# Altium PCB watchy-1.0.PcbDoc
Units mm, origin at the board's own origin, x right, y up, seen from the top; angles counter-clockwise.
Board outline 34.1 x 46.1 mm, 2 copper layers (TopLayer, BottomLayer); 65 components, 72 nets, 281 pads, 178 vias.
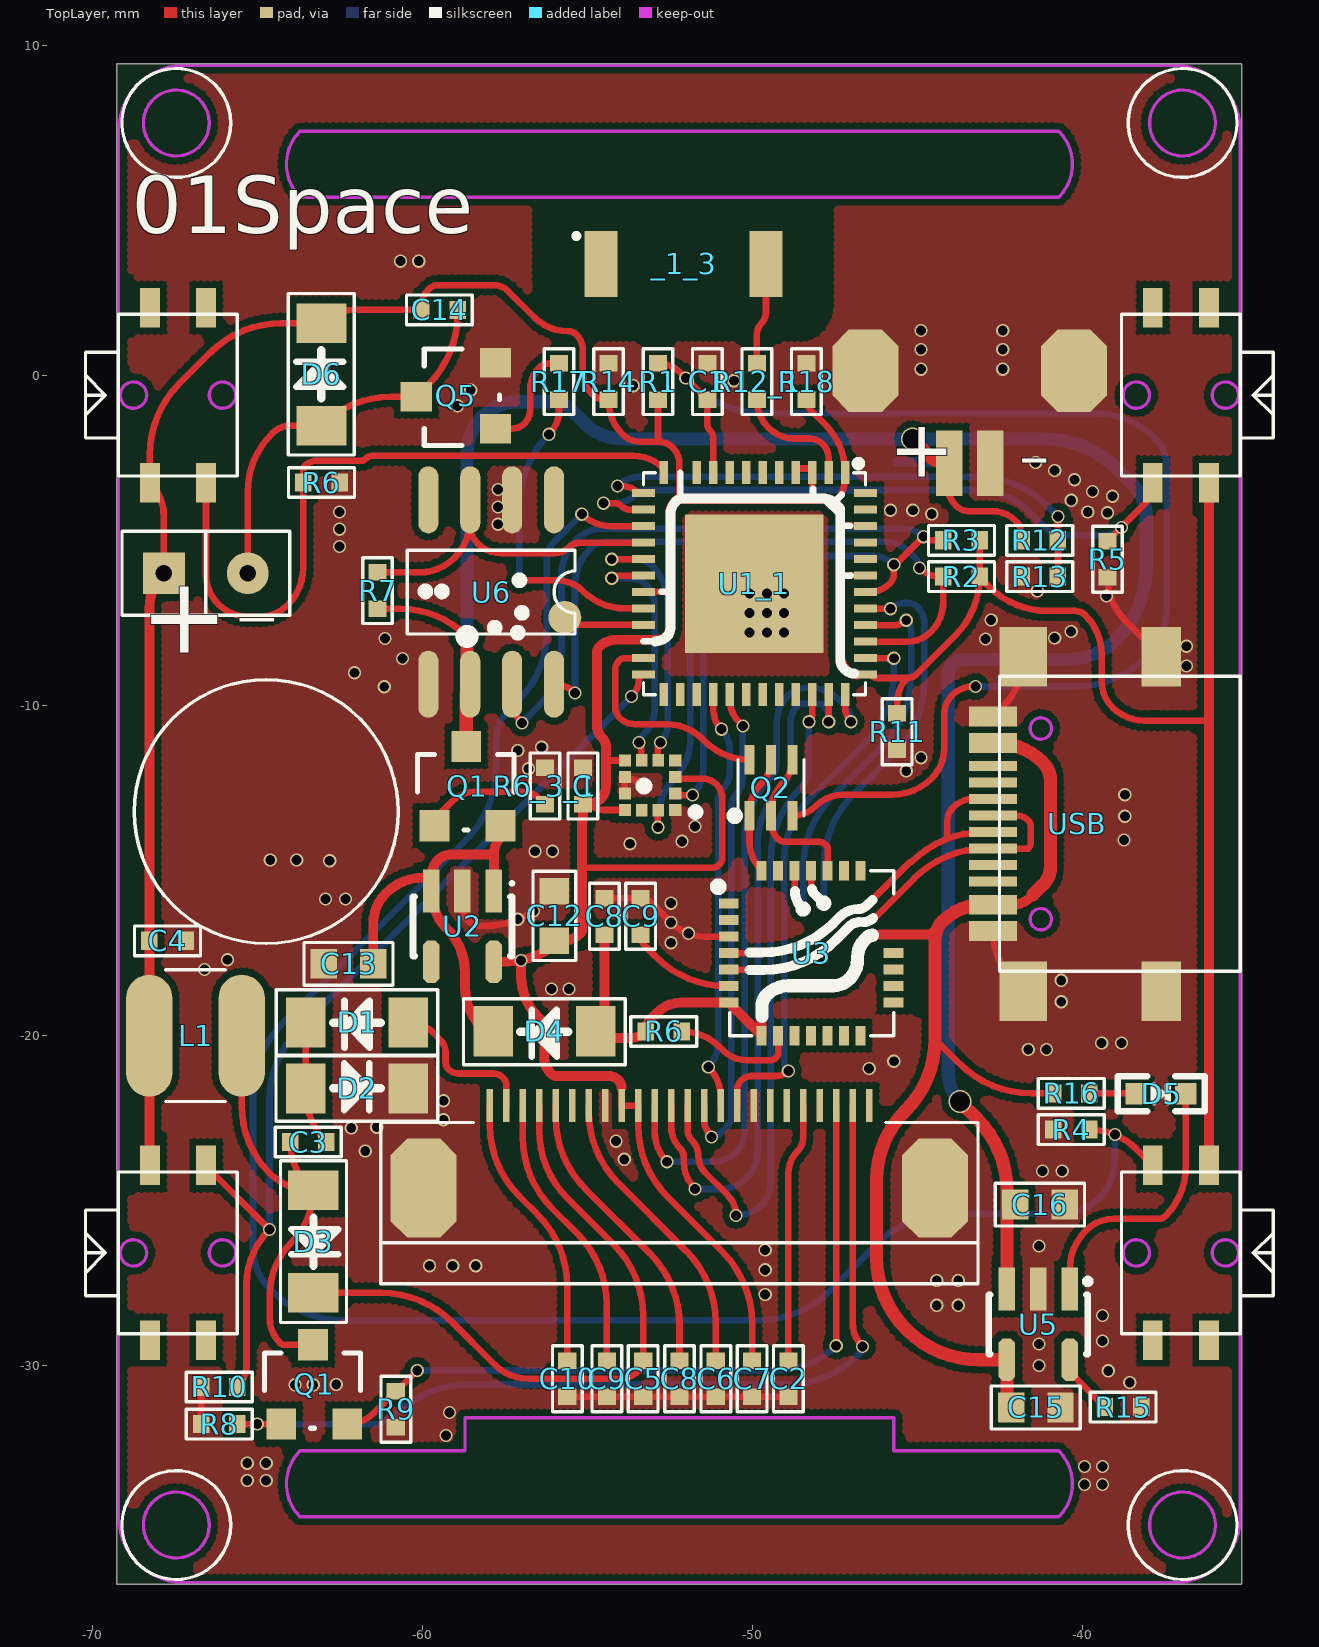
[diagram p0: TopLayer view]
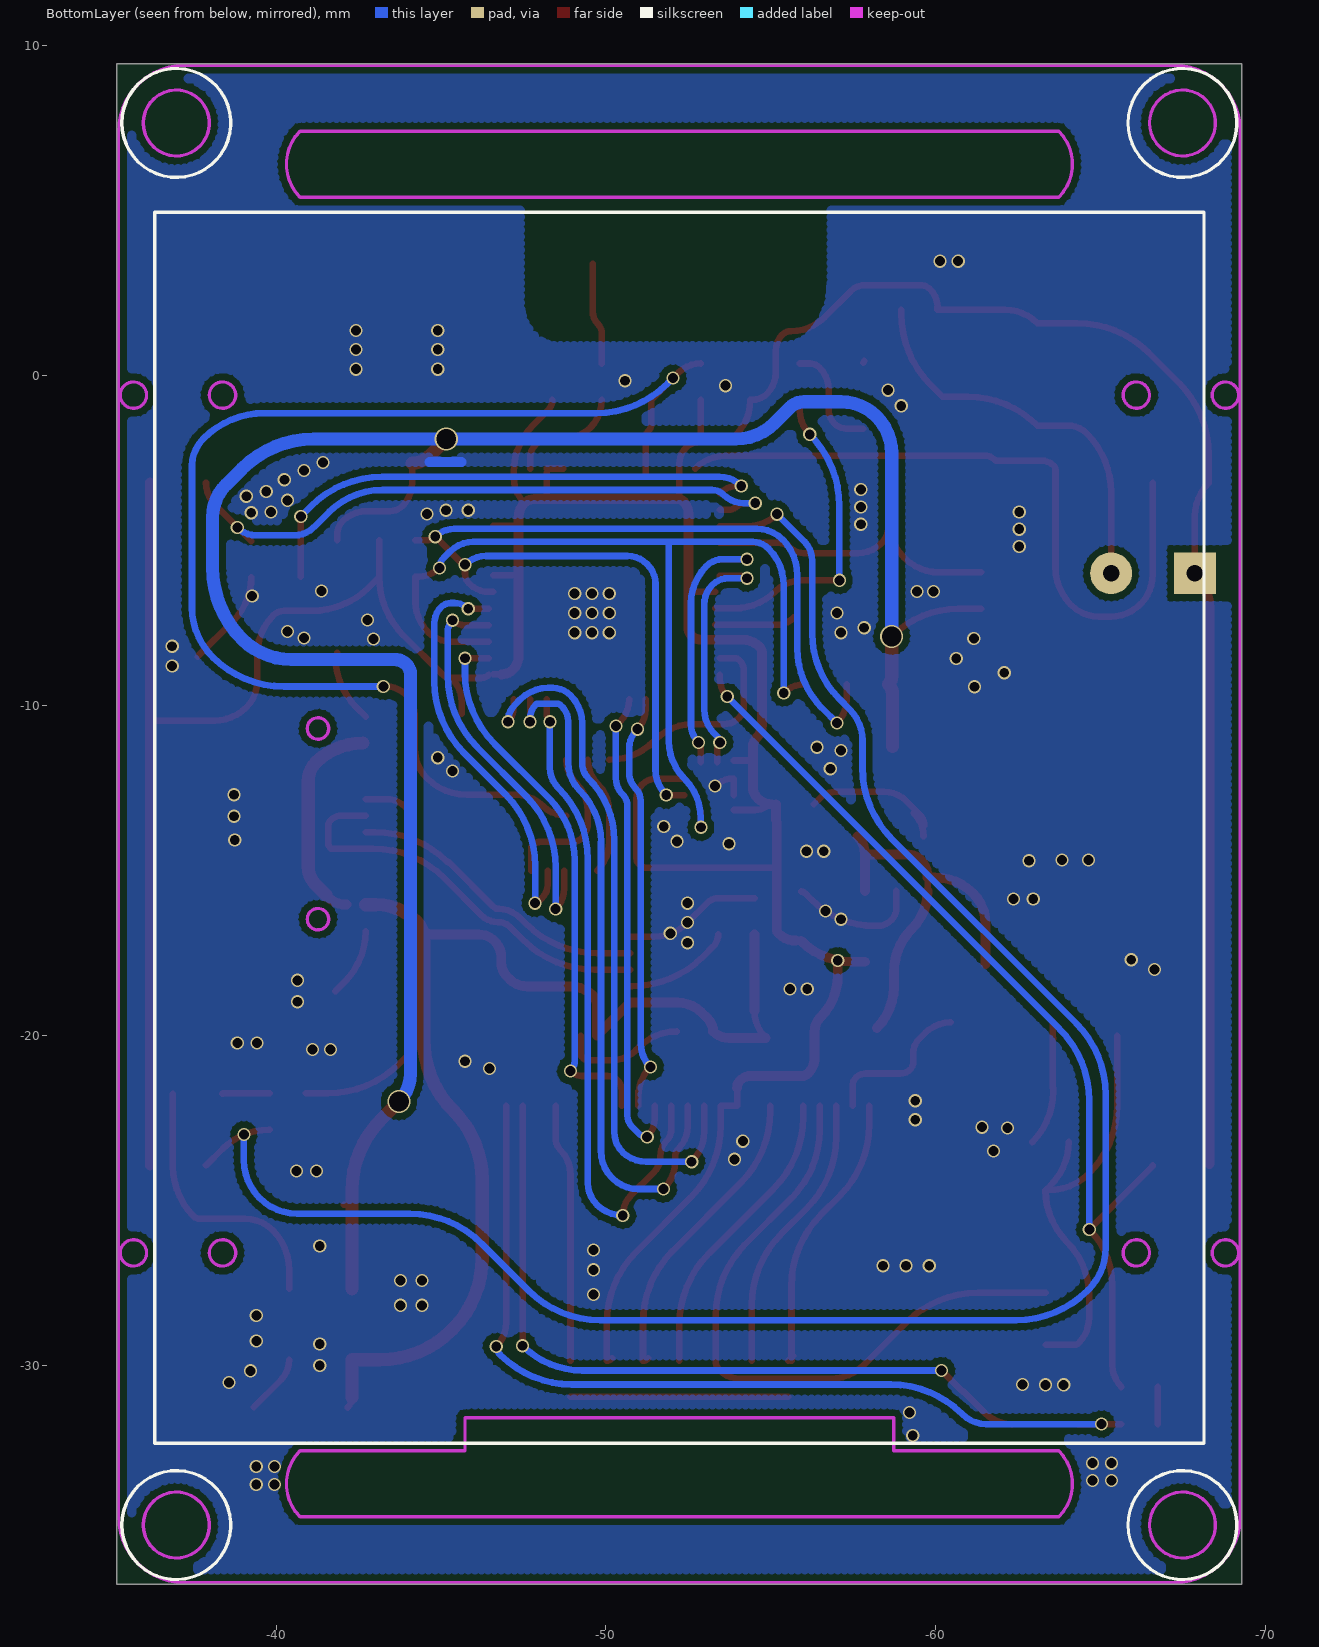
[diagram p1: BottomLayer view, seen from below]

## Layer stack, top to bottom
TopLayer: signal copper 0.0356
Dielectric: dielectric 0.32, FR-4, Dk 4.8
BottomLayer: signal copper 0.0356

## Board outline
-69.275,-36.65 -35.175,-36.65 -35.175,9.45 -69.275,9.45

## Design rules (kind name [scope] priority, off if disabled: settings)
Clearance [All] p1: gap=0.2
FabricationTestPointUsage TestPointUsage [All] p1: valid=0 allowmultiple=FALSE
FabricationTestpoint Testpoint [All] p1: side=3 testpointundercomponent=TRUE minsize=1.016 maxsize=2.54 preferedsize=1.524 minholesize=0.508 maxholesize=1.016 preferedholesize=0.813 testpointgrid=0.025 allowsidetop=TRUE allowsidebottom=TRUE usegrid=TRUE gridtolerance=0
PolygonConnect [All] p1: connectstyle=Direct reliefconductorwidth=0.254 reliefentries=4 polygonreliefangle="90 Angle" airgapwidth=0.254
RoutingVias [All] p1: holewidth=0.711 width=1.27 viastyle="Through Hole" minholewidth=0.711 minwidth=1.27 maxholewidth=0.711 maxwidth=1.27
SolderMaskExpansion [All] p1: expansion=0.102
Width [All] p1: maxlimit=0.2 minlimit=0.2 preferedwidth=0.2
26 further rules are at their usual default settings.

## Components (designator, comment, footprint, x,y, rotation, side; value= is the part's Value field where it differs from the comment)
_1_3 "" 1206 -49.6,3.375 r180 top locked
C "104" 0402R -55.15,-13 r90 top locked
C1 "104" 0402R -51.375,-0.74 r90 top
C2 "105" 0402R -48.923,-29.864 r270 top locked
C3 "475" 0402R -62.923,-23.239 r180 top locked
C4 "475" 0402R -68.293,-17.14 r0 top locked
C5 "105" 0402R -53.323,-29.864 r270 top locked
C6 "105" 0402R -51.123,-29.864 r270 top
C7 "105" 0402R -50.023,-29.864 r270 top
C8 "105" 0402R -52.223,-29.864 r270 top locked
C8 "104" 0402R -54.5,-16.95 r90 top
C9 "105" 0402R -54.423,-29.864 r270 top
C9 "104" 0402R -53.4,-16.95 r90 top
C10 "105" 0402R -55.623,-29.864 r270 top
C12 "475" 0603C -56.025,-16.39 r90 top locked
C13 "475" 0603C -62.251,-17.85 r180 top locked
C14 "104" 0402R -58.95,1.985 r180 top
C15 "475" 0603C -41.426,-31.275 r0 top locked
C16 "475" 0603C -41.301,-25.125 r0 top locked
D1 "IN5819" 1206D -62,-19.615 r180 top locked
D2 "IN5819" 1206D -61.998,-21.614 r0 top locked
D3 "IN5819" 1206D -63.323,-26.264 r270 top locked
D4 "IN5819" 1206D -56.323,-19.887 r180 top locked
D5 "RED" 0603D -37.625,-21.765 r0 top locked
D6 "IN5819" 1206D -63.075,0.035 r90 top locked
L1 "" PCBCOMPONENT_1 -68.293,-20.014 r0 top
Q1 "2SC2859" SOT-23D -64.298,-31.789 r0 top locked
Q1 "2SC2859" SOT-23D -59.65,-13.65 r0 top locked
Q2 "UMH3N" SOT363 -50.1,-13.35 r90 top locked
Q5 "S8050" SOT-23D -57.8,-1.615 r90 top locked
R1 "10K" 0402R -52.875,-0.74 r90 top locked
R2 "4.7K" 0402R -43.125,-6.1 r180 top locked
R3 "4.7K" 0402R -43.125,-5 r180 top
R4 "10K" 0402R -39.8,-22.865 r180 top
R5 "10K" 0402R -39.25,-5.025 r270 top
R6 "10K" 0402R -53.248,-19.889 r0 top locked
R6 "10K" 0402R -63.625,-3.25 r0 top
R6_3_1 "10K" 0402R -56.3,-13 r90 top locked
R7 "10K" 0402R -61.375,-5.975 r270 top
R8 "10K" 0402R -65.623,-31.789 r180 top
R9 "3" 0402R -60.823,-30.789 r270 top locked
R10 "10K" 0402R -65.623,-30.664 r180 top locked
R11 "10K" 0402R -45.626,-10.25 r270 top
R12 "100K" 0402R -41.85,-5 r0 top
R12_1 "100K" 0402R -49.875,-0.74 r90 top
R13 "100K" 0402R -40.75,-6.1 r180 top locked
R14 "10K" 0402R -54.375,-0.74 r90 top
R15 "10K" 0402R -39.326,-31.275 r0 top locked
R16 "1K" 0402R -40.9,-21.765 r0 top
R17 "1K" 0402R -55.875,-0.74 r90 top locked
R18 "10K" 0402R -48.375,-0.74 r90 top locked
U1_1 "" ESP32-PICO-D4 -47.2,-2.95 r270 top locked
U2 "MIC5319-3.3YD5-TR" SO-G5/X.5 -58.8,-16.7 r180 top locked
U3 "CP2102" QFN-28 -50.7,-16 r0 top locked
U5 "TP4054" SO-G5/X.5 -41.348,-28.764 r180 top locked
U6 "DS3231MZ" SO-8 -56.025,-3.775 r270 top
USB "" "USB3.1 TYPE-C" -41.8,-18.665 r90 top locked
? "" LGA-12_2X2MM_P0.5MM 38.517,69.236 r270 top locked
? "" "PCBCOMPONENT_1 - DUPLICATE" -42.8,-2.665 r180 top
? "" 3.5*4.7*1.7 -37.875,-29.25 r90 top locked
? "" 3.5*4.7*1.7 -66.575,-23.95 r270 top locked
? "" 3.5*4.7*1.7 -37.875,-3.25 r90 top locked
? "" 3.5*4.7*1.7 -66.575,2.05 r270 top locked
? "" 24PIN-0.5 -57.975,-22.14 r0 top locked
? "" SIP2 -67.85,-6 r0 top

## Footprints (in the part's own frame and the unit in brackets; to place one, negate y for a bottom-side part, rotate by r counter-clockwise, add the part's x,y. Pads: shape width x height; smd on the part's side, far side on the other; paste and mask are expansions set on the pad)
3.5*4.7*1.7 [mm]
  rect 1.2x0.6 smd: 1(0,0) 2(5.3,0) 3(0,-1.7) 4(5.3,-1.7)
  KeepOutLayer circle w0.1: c2.65,0.5 r0.4
  KeepOutLayer circle w0.1: c2.65,-2.2 r0.4
  silkscreen extent 0.2,-3.65 5.1,0.95
24PIN-0.5 [mm]
  rect 0.2x1 smd: 1(11.5,0) 2(11,0) 3(10.5,0) 4(10,0) 5(9.5,0) 6(9,0) 7(8.5,0) 8(8,0) 9(7.5,0) 10(7,0) 11(6.5,0) 12(6,0) 13(5.5,0) 14(5,0) 15(4.5,0) 16(4,0) 17(3.5,0) 18(3,0) 19(2.5,0) 20(2,0) 21(1.5,0) 22(1,0) 23(0.5,0) 24(0,0)
  oct 2x3 smd: ""(-2,-2.5) ""(13.5,-2.5)
  silkscreen extent -3.3,-5.4 14.8,-0.51
0402R [mm]
  rect 0.5x0.55 smd: 1(0,0) 2(1.1,0)
  silkscreen extent -0.45,-0.45 1.55,0.45
0603C [mm]
  rect 0.8x0.9 smd: 1(-0.746,-0.011) 2(0.754,-0.011)
  silkscreen extent -1.35,-0.66 1.35,0.64
0603D [mm]
  rect 0.65x0.65 smd: 1(-0.746,-0.01) 2(0.754,-0.01)
  silkscreen extent -1.32,-0.54 1.32,0.52
1206 [mm]
  rect 1x2 smd: 1(0,0) 2(5,0)
1206D [mm]
  rect 1.2x1.524 smd: 1(-1.557,-0.001) 2(1.548,-0.001)
  silkscreen extent -2.45,-0.99 2.45,1.01
ESP32-PICO-D4 [mm]
  rect 0.7x0.25 smd: 1(0,0) 2(0,-0.5) 3(0,-1) 4(0,-1.5) 5(0,-2) 6(0,-2.5) 7(0,-3) 8(0,-3.5) 9(0,-4) 10(0,-4.5) 12(0,-5.5) 25(6.73,-5.5) 26(6.73,-5) 27(6.73,-4.5) 28(6.73,-4) 29(6.73,-3.5) 30(6.73,-3) 31(6.73,-2.5) 32(6.73,-2) 33(6.73,-1.5) 34(6.73,-1) 35(6.73,-0.5) 36(6.73,0)
  rect 0.7x0.25 on Top Overlay: 11(0,-5)
  rect 0.25x0.7 smd: 13(0.615,-6.115) 14(1.115,-6.115) 15(1.615,-6.115) 16(2.115,-6.115) 17(2.615,-6.115) 18(3.115,-6.115) 19(3.615,-6.115) 20(4.115,-6.115) 21(4.615,-6.115) 23(5.615,-6.115) 24(6.115,-6.115) 37(6.115,0.615) 38(5.615,0.615) 39(5.115,0.615) 40(4.615,0.615) 41(4.115,0.615) 42(3.615,0.615) 43(3.115,0.615) 44(2.615,0.615) 45(2.115,0.615) 46(1.615,0.615) 47(1.115,0.615) 48(0.615,0.615)
  rect 0.25x0.7 on Top Overlay: 22(5.115,-6.115)
  rect 4.2x4.2 smd: ""(3.365,-2.75)
  silkscreen extent 0,-6.11 6.73,0.62
LGA-12_2X2MM_P0.5MM [mm]
  rect 0.35x0.375 smd: 1(82.411,-90.868) 2(81.911,-90.868) 3(81.411,-90.868) 4(80.911,-90.868) 7(80.911,-92.393) 8(81.411,-92.393) 9(81.911,-92.393) 10(82.411,-92.393)
  rect 0.375x0.35 smd: 5(80.898,-91.38) 6(80.898,-91.88) 11(82.423,-91.88) 12(82.423,-91.38)
PCBCOMPONENT_1 [mm]
  oval 1.4x3.7 smd: 1(0,0) 2(2.8,0)
  silkscreen extent 0.5,-2 2.3,2
"PCBCOMPONENT_1 - DUPLICATE" [mm]
  rect 0.8x2 smd: 1(0,0) 2(1.25,0)
  oct 2x2.5 smd: ""(-2.54,-2.8) ""(3.79,-2.8)
QFN-28 [mm]
  rect 0.6x0.3 smd: 1(-0.031,-0.016) 2(-0.031,-0.516) 3(-0.031,-1.016) 4(-0.031,-1.516) 5(-0.031,-2.016) 6(-0.031,-2.516) 7(-0.031,-3.016) 15(4.969,-3.016) 16(4.969,-2.516) 17(4.969,-2.016) 18(4.969,-1.516)
  rect 0.3x0.6 smd: 8(0.969,-4.016) 9(1.469,-4.016) 10(1.969,-4.016) 11(2.469,-4.016) 12(2.969,-4.016) 13(3.469,-4.016) 14(3.969,-4.016) 22(3.969,0.984) 23(3.469,0.984) 24(2.969,0.984) 25(2.469,0.984) 26(1.969,0.984) 27(1.469,0.984) 28(0.969,0.984)
  rect 0.6x0.3 on Top Overlay: 19(4.969,-1.016) 20(4.969,-0.516) 21(4.969,-0.016)
  silkscreen extent 0,-4.02 4.97,0.98
SIP2 [mm]
  rect 1.27x1.27 hole 0.5: 1(0,0)
  round 1.27 hole 0.5: 2(2.54,0)
  silkscreen extent -1.27,-1.27 3.81,1.27
SO-8 [mil]
  oval 80x24 smd: 1(0,0) 2(0,-50) 3(0,-100) 4(0,-150) 5(220,-150) 6(220,-100) 7(220,-50) 8(220,0)
  silkscreen extent 60,-175 160,25
SO-G5/X.5 [mm]
  rect 0.5x1.3 smd: 1(-0.95,-1.075) 2(0,-1.075) 3(0.95,-1.075)
  oct 0.5x1.3 smd: 4(0.95,1.075) 5(-0.95,1.075)
  silkscreen extent -1.55,-1.35 1.5,0.9
SOT363 [mm]
  rect 0.9x0.3 smd: 1(0,0) 2(0,-0.65) 3(0,-1.3) 4(1.7,-1.3) 5(1.7,-0.65) 6(1.7,0)
  silkscreen extent 0,-1.65 1.7,0.35
SOT-23D [mm]
  rect 0.9x0.95 smd: 1(0,0) 2(2,0) 3(0.965,2.4)
  silkscreen extent -0.51,-0.13 2.41,2.16
"USB3.1 TYPE-C" [mm]
  rect 0.6x1.45 smd: 1(1.82,0.915) 2(2.62,0.915) 11(7.52,0.915) 12(8.32,0.915)
  rect 0.3x1.45 smd: 3(3.32,0.915) 4(3.82,0.915) 5(4.32,0.915) 6(4.82,0.915) 7(5.32,0.915) 8(5.82,0.915) 9(6.32,0.915) 10(6.82,0.915)
  rect 1.8x1.45 smd: ""(0,0) ""(10.14,0)
  rect 1.8x1.2 smd: ""(0,-4.18) ""(10.14,-4.18)
  KeepOutLayer circle w0.1: c7.96,-0.53 r0.325
  KeepOutLayer circle w0.1: c2.18,-0.53 r0.325
  silkscreen extent 0.6,-6.58 9.54,0.72

## Free pads (board coordinates)
  round 1 smd: ""(-55.7,-7.339)

## Via types
v1: diameter 0.4, hole 0.3, TopLayer to BottomLayer, 175 vias
v2: diameter 0.7, hole 0.6, TopLayer to BottomLayer, 3 vias

## Nets (pads, with @x,y where several pads share a name; then routed paths per layer and width w, separated by ;. In a path a pad name is that pad's centre, name@x,y a point inside that pad or via, vN(x,y) a via of type N, cw(c..) or ccw(c..) an arc to the next point about the centre after c; other vN are vias at no path point)
+3V3: ?.1@-67.85,-6 ?.3@-36.175,-3.25 ?.3@-52.351,-12.175 ?.3@-68.275,-23.95 ?.4@-36.175,-23.95 ?.4@-68.275,-3.25 ?.7@-53.876,-11.675 ?.10@-53.876,-13.175 ?.15 ?.16 C4.1 C7.1 C12.1 C14.2 C.1 D6.2 L1.1 R1.1 R2.1 R3.1 R11.1 R14.1 R18.1 U1_1.1 U1_1.3 U1_1.4 U1_1.19 U1_1.37 U1_1.43 U1_1.46 U2.5 | length 145.9
  TopLayer w0.2: ?.3@-68.293,-23.907 ccw(c-68.232,-23.907) ?.3@-68.275,-23.95 ; ?.1@-67.85,-6 -67.85,-4.276 ccw(c-69.301,-4.276) -68.275,-3.25 -68.275,-2.41 cw(c-65.209,-2.41) -67.377,-0.242 -66.45,0.685 cw(c-64.282,-1.483) -64.282,1.583 D6.2 cw(c-62.103,0.611) -62.103,1.985 C14.2 -60.05,2.067 cw(c-59.282,2.067) -59.825,2.61 cw(c-59.523,2.308) -59.523,2.735 -57.847,2.735 cw(c-57.847,2.138) -57.425,2.56 -56.624,1.759 ccw(c-55.6,2.784) -55.6,1.335 cw(c-55.6,0.973) -55.344,1.229 cw(c-55.812,0.761) -55.15,0.761 -55.15,0.099 ccw(c-54.211,0.099) -54.875,-0.565 ccw(c-54.453,-0.142) R14.1@-54.453,-0.74 ; C12.1 C12.1@-55.759,-17.136 ; -55.175,-14.925 -51.242,-14.925 ccw(c-51.242,-14.584) -51.001,-14.825 ccw(c-51.182,-14.644) -50.926,-14.644 -50.926,-12.822 ccw(c-51.523,-12.822) -51.101,-12.4 ccw(c-51.523,-12.822) -51.523,-12.225 ?.3@-52.376,-12.225 ; -55.175,-13.543 ccw(c-55.235,-13.483) -55.15,-13.483 ; C.1 C.1@-55.023,-13 ; C.1@-54.95,-13 ccw(c-54.528,-12.578) -54.528,-13.175 ?.10@-53.876,-13.175 ; -54.45,-11.65 ccw(c-54.389,-11.589) -54.389,-11.675 ?.7@-53.876,-11.675 ; R14.1 -54.375,-0.763 ccw(c-52.924,-0.763) -53.95,-1.789 ccw(c-53.407,-1.245) -53.407,-2.014 -52.848,-2.014 ; -53.975,-21.6 ?.16 ?.15 -53.475,-22.742 ccw(c-50.409,-22.742) -52.577,-24.91 -50.921,-26.566 cw(c-53.089,-28.734) -50.023,-28.734 C7.1 cw(c-50.023,-29.638) C7.1@-50.182,-29.798 ; U1_1.19 -52.524,-6.565 cw(c-52.524,-6.599) -52.5,-6.575 ; -52.931,-8.015 -52.878,-8.015 ; R1.1 -52.875,-1.947 ccw(c-52.781,-1.947) -52.848,-2.014 ; -52.169,-3.75 cw(c-52.034,-3.615) -52.225,-3.615 -52.225,-2.671 ccw(c-52.908,-2.671) -52.425,-2.189 ccw(c-52.848,-2.611) -52.848,-2.014 ; U1_1.4@-48.7,-2.825 U1_1.3@-48.2,-2.825 ; R18.1 ccw(c-47.928,-0.74) -48.244,-1.056 -47.801,-1.499 cw(c-49.252,-2.95) U1_1.1 ; -48.225,-3.75 ccw(c-48.285,-3.69) -48.2,-3.69 U1_1.3 ; -47.525,-3.875 ccw(c-48.31,-3.09) U1_1.1@-47.2,-3.09 ; -47.35,-6.1 cw(c-47.266,-6.184) -47.266,-6.065 U1_1.43 ; -47.35,-4.575 cw(c-47.326,-4.599) -47.326,-4.565 U1_1.46 ; U1_1.37@-46.837,-9.065 U1_1.37 ; U1_1.37@-46.45,-9.075 ccw(c-46.209,-8.834) -46.209,-9.175 -45.319,-9.175 ; R11.1 -45.626,-9.915 cw(c-44.579,-9.915) -45.319,-9.175 ; R3.1 R2.1 ; -36.175,-10.465 -38.134,-10.465 cw(c-38.134,-9.099) -39.1,-10.065 cw(c-38.315,-9.28) -39.425,-9.28 -39.425,-8.472 ccw(c-41.132,-8.472) -39.925,-7.265 ccw(c-40.227,-7.567) -40.227,-7.14 -41.075,-7.14 cw(c-41.075,-4.665) -42.825,-6.415 -43.115,-6.125 cw(c-43.089,-6.1) R2.1 ; -45.319,-9.175 ccw(c-45.319,-8.767) -45.031,-9.056 -43.867,-7.892 ccw(c-45.66,-6.1) R2.1
  TopLayer w0.3: ?.3@-68.293,-23.907 -68.293,-7.069 cw(c-66.781,-7.069) ?.1@-67.85,-6 ; U2.5 -57.433,-17.775 ccw(c-57.433,-15.627) C12.1@-55.914,-17.146 ; v1(-57.025,-17.739) -57.025,-18.191 ccw(c-55.225,-18.191) -56.498,-19.464 cw(c-56.92,-19.887) -56.323,-19.887 -56.323,-20.681 ccw(c-55.64,-20.681) -56.123,-21.164 ccw(c-55.942,-20.983) -55.942,-21.239 -54.374,-21.239 cw(c-54.374,-21.666) -54.073,-21.364 cw(c-54.308,-21.6) -53.975,-21.6 ; C12.1@-55.759,-17.136 ccw(c-55.759,-16.381) -55.225,-16.915 ccw(c-55.346,-16.794) -55.175,-16.794 -55.175,-13.543 ; -55.15,-13.483 C.1 ; C.1@-55.023,-13 ccw(c-55.023,-12.403) -54.6,-12.825 ccw(c-54.962,-12.463) -54.45,-12.463 -54.45,-11.277 ccw(c-54.877,-11.277) -54.575,-10.975 cw(c-54.213,-10.613) -54.725,-10.613 -54.725,-8.406 cw(c-54.469,-8.406) -54.65,-8.225 cw(c-54.143,-8.732) -54.143,-8.015 -53.992,-8.015 -52.931,-8.015 ; -52.878,-8.015 ccw(c-52.878,-7.622) -52.6,-7.9 ccw(c-52.841,-7.659) -52.5,-7.659 -52.5,-4.187 cw(c-51.988,-4.187) -52.35,-3.825 cw(c-52.169,-4.006) -52.169,-3.75 -47.827,-3.75 cw(c-47.827,-4.177) -47.525,-3.875 cw(c-47.948,-4.297) -47.35,-4.297 -47.35,-8.503 ccw(c-46.753,-8.503) -47.175,-8.925 ccw(c-46.837,-8.587) U1_1.37@-46.837,-9.065 ; ?.4@-36.175,-23.95 ?.3@-36.175,-3.25
+BATT: ?.2@-44.05,-2.665 C16.1 Q1.3@-58.685,-11.25 R7.2 R12.1 U5.3 U6.6 | length 69
  TopLayer w0.2: R7.2 -60.684,-7.075 cw(c-60.684,-9.938) v2(-58.66,-7.914) ; ?.2@-44.125,-2.665 -44.125,-3.241 ccw(c-43.101,-3.241) -43.825,-3.965 ccw(c-43.463,-3.603) -43.463,-4.115 -42.749,-4.115 cw(c-42.749,-5.139) -42.025,-4.415 cw(c-42.447,-4.837) -41.85,-4.837 R12.1 ; C16.1@-42.298,-25.15 cw(c-42.263,-25.185) -42.263,-25.136 C16.1
  TopLayer w0.4: Q1.3@-58.685,-11.25 -58.685,-9.652 cw(c-58.276,-9.652) U6.6 cw(c-58.336,-9.134) -58.66,-9.134 v2(-58.66,-7.914) ; v2(-45.158,-1.933) -44.639,-2.452 ccw(c-44.125,-1.938) ?.2@-44.125,-2.665 ; v2(-43.723,-22.014) -43.196,-22.541 cw(c-45.364,-24.709) -42.298,-24.709 U5.3
  BottomLayer w0.4: v2(-58.66,-7.914) -58.66,-6.375 -58.66,-2.359 cw(c-57.092,-2.359) -58.201,-1.25 cw(c-57.114,-2.336) -57.114,-0.8 -56.001,-0.8 cw(c-56.001,-1.404) -55.574,-0.977 -55.101,-1.45 ccw(c-53.934,-0.284) -53.937,-1.933 ccw(c-53.934,-0.284) -53.934,-1.933 v2(-45.158,-1.933) -41.137,-1.933 cw(c-41.137,-4.999) -38.969,-2.831 -38.482,-3.318 cw(c-39.464,-4.3) -38.076,-4.3 -38.076,-5.83 cw(c-41.142,-5.83) -38.974,-7.998 cw(c-40.46,-6.512) -40.46,-8.614 -43.588,-8.614 ccw(c-43.588,-9.126) -43.95,-8.764 ccw(c-43.648,-9.065) -44.075,-9.065 -44.075,-21.003 -44.075,-21.164 ccw(c-42.872,-21.164) v2(-43.723,-22.014)
ACC_INT_1: ?.5@-52.863,-11.662 U1_1.17 | length 8.3
  TopLayer w0.2: v1(-54.275,-5.575) U1_1.17@-53.45,-5.575 ; ?.5@-52.876,-11.725 -52.876,-11.306 cw(c-52.619,-11.306) v1(-52.801,-11.125)
  BottomLayer w0.2: v1(-54.275,-5.575) -53.533,-5.575 cw(c-53.533,-6.258) -53.051,-5.775 cw(c-54.197,-6.922) -52.576,-6.922 -52.576,-10.582 cw(c-53.344,-10.582) v1(-52.801,-11.125)
ACC_INT_2: ?.6@-53.363,-11.662 U1_1.18 | length 7.6
  TopLayer w0.2: v1(-54.275,-6.15) cw(c-54.094,-6.331) -54.094,-6.075 U1_1.18@-53.45,-6.075 ; v1(-53.451,-11.125) cw(c-53.632,-11.306) -53.376,-11.306 ?.6@-53.376,-11.725
  BottomLayer w0.2: v1(-54.275,-6.15) -53.708,-6.15 cw(c-53.708,-6.833) -53.226,-6.35 cw(c-53.829,-6.954) -52.976,-6.954 -52.976,-10.126 cw(c-54,-10.126) -53.276,-10.85 v1@-53.38,-10.954 ; v1(-53.451,-11.125) cw(c-53.209,-11.125) v1@-53.38,-10.954
ADC: R12.2 R13.1 U1_1.13 | length 16.3
  TopLayer w0.2: v1(-54.1,-3.35) -53.993,-3.35 cw(c-53.993,-4.118) U1_1.13@-53.45,-3.575 ; R13.1 v1(-40.75,-4.275)
  BottomLayer w0.2: v1(-54.1,-3.35) cw(c-53.436,-4.014) -53.436,-3.075 -43.22,-3.075 cw(c-43.22,-6.141) -41.052,-3.973 v1(-40.75,-4.275)
ANT: _1_3.1 R12_1.2 | length 3.1
  TopLayer w0.2: R12_1.2 -49.875,1.258 cw(c-49.448,1.258) -49.75,1.56 ccw(c-50.112,1.922) -49.6,1.922 _1_3.1
BTN_1: ?.2@-37.875,-23.95 R4.1 U1_1.15 | length 60
  TopLayer w0.2: v1(-55.183,-4.208) ccw(c-54.297,-3.322) -54.297,-4.575 U1_1.15@-53.45,-4.575 ; R4.1 cw(c-39.8,-24.893) -38.366,-23.459 ?.2@-37.875,-23.95
  BottomLayer w0.2: v1(-55.183,-4.208) -56.011,-5.036 ccw(c-55.433,-5.614) -56.25,-5.614 -56.25,-7.822 cw(c-59.067,-7.822) -57.075,-9.814 -57.386,-10.125 ccw(c-56.447,-11.064) -57.775,-11.064 -57.775,-11.894 cw(c-60.841,-11.894) -58.673,-14.062 -64.252,-19.641 ccw(c-62.084,-21.809) -65.15,-21.809 -65.15,-26.446 ccw(c-63.358,-26.446) -64.625,-27.714 -64.598,-27.741 ccw(c-62.43,-25.573) -62.43,-28.639 -49.82,-28.639 ccw(c-49.82,-25.573) -47.652,-27.741 -46.223,-26.312 cw(c-44.055,-28.48) -44.055,-25.414 -40.647,-25.414 ccw(c-40.647,-23.792) -39.5,-24.939 ccw(c-40.647,-23.792) -39.025,-23.792 v1(-39.025,-23.014)
BTN_2: ?.1@-37.875,-3.25 R5.1 U1_1.14 | length 19.7
  TopLayer w0.2: v1(-54.525,-3.875) -54.181,-3.875 cw(c-54.181,-4.131) -54,-3.95 ccw(c-53.698,-3.648) -53.698,-4.075 U1_1.14@-53.45,-4.075 ; R5.1 -38.832,-4.607 -38.641,-4.416 -38.158,-3.933 ccw(c-38.841,-3.25) ?.1@-37.875,-3.25